# Altium PCB FPGA_A3P10002.PcbDoc (part 2 of 2)
Units mil, origin at the board's own origin, x right, y up, seen from the top; angles counter-clockwise.
Board outline 3712.6 x 3877.95 mil, 4 copper layers (Top Layer, GND_2, VCC_3, Bottom Layer), stack 23.756 mil thick; 104 components, 194 nets, 662 pads, 184 vias.
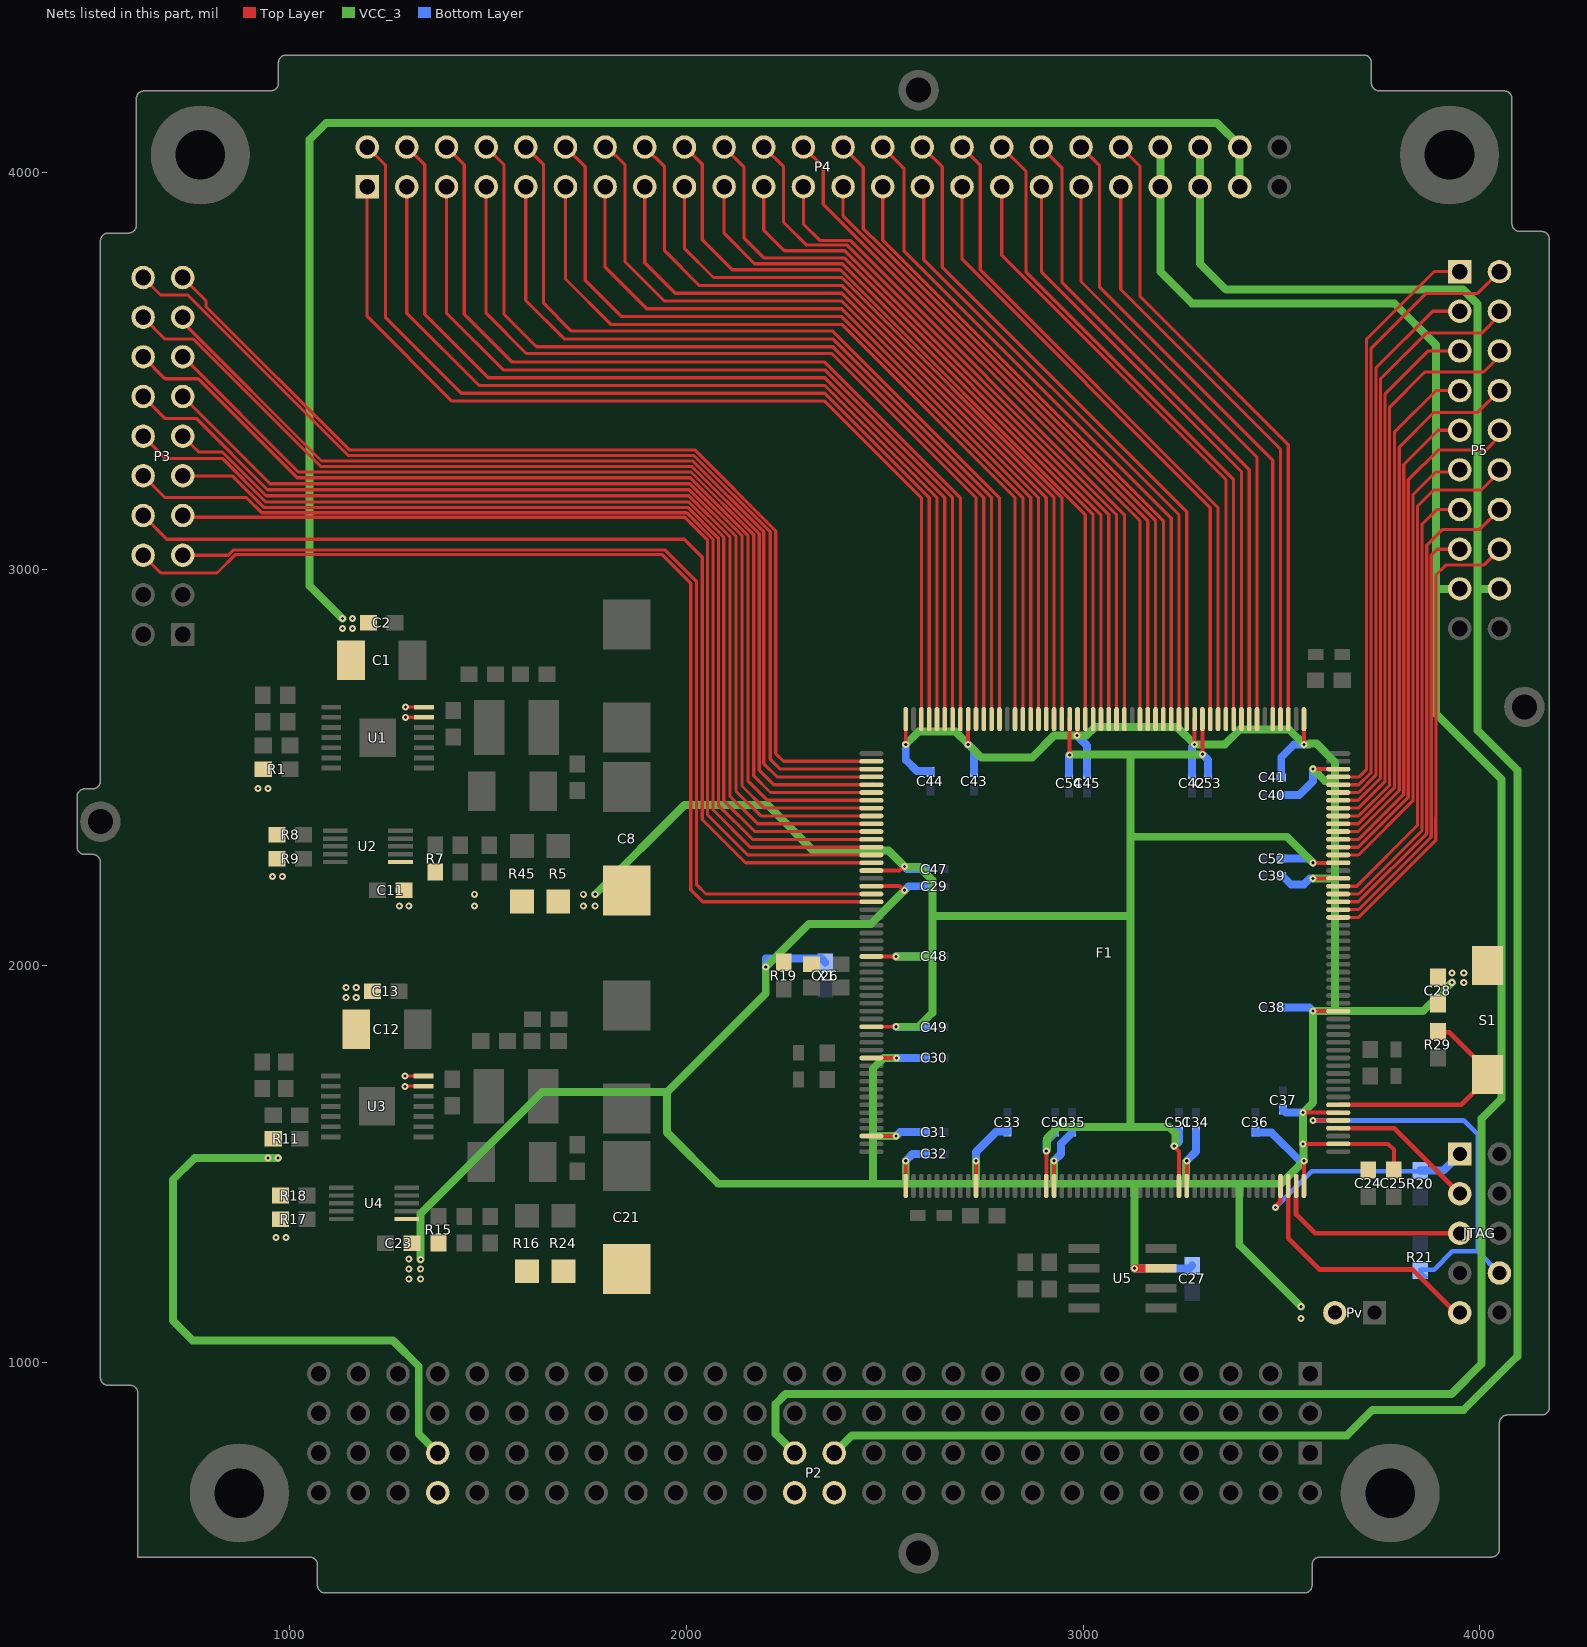
[diagram p4: the nets of this part, all layers, seen from the top]

## Via types
v1: diameter 17.72, hole 7.87, Top Layer to Bottom Layer, 184 vias

## Nets (pads, with @x,y where several pads share a name; then routed paths per layer and width w, separated by ;. In a path a pad name is that pad's centre, name@x,y a point inside that pad or via, vN(x,y) a via of type N, cw(c..) or ccw(c..) an arc to the next point about the centre after c; other vN are vias at no path point) (continued)
OUT_5: F1.20 P3.6 | length 2690
  Top Layer w8: P3.6@630,3035 675,2990 816.26,2990 863.18,3036.91 1938.08,3036.91 2011.08,2963.91 2011.08,2191.08 2041.21,2160.95 F1.20@2466.42,2160.95
OUT_6: F1.19 P3.5 | length 2549
  Top Layer w8: P3.5@730,3035 845,3035 858.41,3048.41 1945.67,3048.41 2025,2969.09 2025,2205 2049.36,2180.64 F1.19@2466.42,2180.64
OUT_7: F1.15 P3.8 | length 2586.6
  Top Layer w8: P3.8@630,3135 689.76,3075.24 1994.76,3075.24 2040,3030 2040,2368.46 2149.09,2259.38 F1.15@2466.42,2259.38
OUT_8: F1.14 P3.7 | length 2496.7
  Top Layer w8: P3.7@730,3135 734.5,3130.5 1995.61,3130.5 2053.5,3072.61 2053.5,2379.93 2154.37,2279.06 F1.14@2466.42,2279.06
OUT_9: F1.13 P3.10 | length 2623.9
  Top Layer w8: P3.10@630,3235 684.55,3180.45 890.45,3180.45 928.91,3142 2000.37,3142 2067,3075.37 2067,2393 2161.25,2298.75 F1.13@2466.42,2298.75
OUT_10: F1.12 P3.9 | length 2510.7
  Top Layer w8: P3.9@730,3235 855,3235 934.5,3155.5 2003.13,3155.5 2080.5,3078.13 2080.5,2404.5 2166.57,2318.43 F1.12@2466.42,2318.43
OUT_11: F1.11 P3.12 | length 2638.8
  Top Layer w8: P3.12@630,3335 686,3279 829.74,3279 939.74,3169 2005.9,3169 2094,3080.9 2094,2416 2171.88,2338.12 F1.11@2466.42,2338.12
OUT_12: F1.10 P3.11 | length 2524.2
  Top Layer w8: P3.11@730,3335 770,3295 830,3295 940,3185 2006.16,3185 2110,3081.16 2110,2427.29 2179.49,2357.8 F1.10@2466.42,2357.8
OUT_13: F1.9 P3.14 | length 2650.7
  Top Layer w8: P3.14@630,3435 685,3380 763.79,3380 943.79,3200 2007.42,3200 2125,3082.42 2125,2440.13 2187.64,2377.49 F1.9@2466.42,2377.49
OUT_14: F1.8 P3.13 | length 2535.8
  Top Layer w8: P3.13@730,3435 950,3215 2008.69,3215 2140,3083.69 2140,2452.97 2195.79,2397.17 F1.8@2466.42,2397.17
OUT_15: F1.7 P3.16 | length 2662.3
  Top Layer w8: P3.16@630,3535 685,3480 768.74,3480 1018.74,3230 2009.95,3230 2155,3084.95 2155,2465.81 2203.95,2416.86 F1.7@2466.42,2416.86
OUT_16: F1.6 P3.15 | length 2547.3
  Top Layer w8: P3.15@730,3535 731.26,3535 1021.6,3244.66 2011.55,3244.66 2169.66,3086.55 2169.66,2478.98 2212.1,2436.54 F1.6@2466.42,2436.54
OUT_17: F1.5 P3.18 | length 2675.2
  Top Layer w8: P3.18@630,3635 684.84,3580.16 756.08,3580.16 1077.66,3258.58 2013.9,3258.58 2183.58,3088.9 2183.58,2492.9 2220.25,2456.23 F1.5@2466.42,2456.23
  Top Layer w10: F1.5@2466.42,2456.23 F1.5@2467.83,2456.23
OUT_18: F1.4 P3.17 | length 2566.2
  Top Layer w8: P3.17@730,3635 730,3622.5 1080,3272.5 2016.24,3272.5 2195.08,3093.66 2195.08,2509.24 2228.41,2475.91 F1.4@2466.42,2475.91
OUT_19: F1.3 P3.20 | length 2682.9
  Top Layer w8: P3.20@630,3735 674.06,3690.94 742.97,3690.94 777.26,3656.65 1147.49,3286.42 2018.58,3286.42 2211.42,3093.58 2211.42,3072.42 ; 2211.42,3070 2211.42,2520.74 2236.56,2495.6 F1.3@2466.42,2495.6
OUT_20: F1.2 P3.19 | length 2579.1
  Top Layer w8: P3.19@730,3735 788.76,3676.24 788.76,3661.41 1149.83,3300.34 2020.93,3300.34 2225.34,3095.93 2225.34,2534.66 2244.72,2515.28 F1.2@2466.42,2515.28
OUT_21: F1.206 P4.1 | length 2472
  Top Layer w8: P4.1@1195,3964 1195,3637.16 1408.74,3423.43 2348.98,3423.43 2592.4,3180 F1.206@2592.4,2621.58
OUT_22: F1.205 P4.2 | length 2566.6
  Top Layer w8: P4.2@1195,4064 1241.54,4017.46 1241.54,3633.46 1431.89,3443.11 2348.98,3443.11 2612.09,3180 F1.205@2612.09,2621.58
OUT_23: F1.204 P4.3 | length 2406.8
  Top Layer w8: P4.3@1295,3964 1295,3645 1477.2,3462.8 2348.98,3462.8 2631.77,3180 F1.204@2631.77,2621.58
OUT_24: F1.203 P4.4 | length 2501.6
  Top Layer w8: P4.4@1295,4064 1340,4019 1340,3642.5 1500.02,3482.48 2348.98,3482.48 2651.46,3180 F1.203@2651.46,2621.58
OUT_25: F1.202 P4.5 | length 2346.2
  Top Layer w8: P4.5@1395,3964 1395,3645 1537.83,3502.17 2348.98,3502.17 2671.14,3180 F1.202@2671.14,2621.58
OUT_26: F1.201 P4.6 | length 2441
  Top Layer w8: P4.6@1395,4064 1440,4019 1440,3642.5 1560.65,3521.85 2348.98,3521.85 2690.83,3180 F1.201@2690.83,2621.58
OUT_27: F1.199 P4.7 | length 2305.2
  Top Layer w8: P4.7@1495,3964 1495,3645 1596.57,3543.43 2366.77,3543.43 2730.2,3180 F1.199@2730.2,2621.58
OUT_28: F1.198 P4.8 | length 2400
  Top Layer w8: P4.8@1495,4064 1540,4019 1540,3642.5 1621.87,3560.63 2369.25,3560.63 2749.88,3180 F1.198@2749.88,2621.58
OUT_29: F1.197 P4.9 | length 2225.8
  Top Layer w8: P4.9@1595,3964 1595,3677.16 1691.85,3580.32 2369.25,3580.32 2769.57,3180 F1.197@2769.57,2621.58
OUT_30: F1.196 P4.10 | length 2323.3
  Top Layer w8: P4.10@1595,4064 1640,4019 1640,3670 1710,3600 2369.25,3600 2789.25,3180 F1.196@2789.25,2621.58
OUT_31: F1.194 P4.11 | length 2153.1
  Top Layer w8: P4.11@1695,3964 1695,3731.24 1809.35,3616.89 2391.73,3616.89 2828.62,3180 F1.194@2828.62,2621.58
OUT_32: F1.193 P4.12 | length 2245.2
  Top Layer w8: P4.12@1695,4064 1745,4014 1745,3728.43 1836.85,3636.57 2391.73,3636.57 2848.31,3180 F1.193@2848.31,2621.58
OUT_33: F1.192 P4.13 | length 2075.1
  Top Layer w8: P4.13@1795,3964 1795,3760.91 1899.65,3656.26 2391.73,3656.26 2867.99,3180 F1.192@2867.99,2621.58
OUT_34: F1.191 P4.14 | length 2160.2
  Top Layer w8: P4.14@1795,4064 1800,4064 1845,4019 1845,3775 1944.06,3675.94 2391.73,3675.94 2887.68,3180 F1.191@2887.68,2621.58
OUT_35: F1.190 P4.15 | length 2007.7
  Top Layer w8: P4.15@1895,3964 1895,3772.48 1971.85,3695.63 2391.73,3695.63 2907.36,3180 F1.190@2907.36,2621.58
OUT_36: F1.189 P4.16 | length 2080.7
  Top Layer w8: P4.16@1895,4064 1945,4014 1945,3802.17 2031.85,3715.32 2391.73,3715.32 2927.05,3180 F1.189@2927.05,2621.58
OUT_37: F1.188 P4.17 | length 1926
  Top Layer w8: P4.17@1995,3964 1995,3808.4 2068.4,3735 2391.73,3735 2946.73,3180 F1.188@2946.73,2621.58
OUT_38: F1.185 P4.18 | length 2022
  Top Layer w8: P4.18@1995,4064 1996.61,4064 2040,4020.61 2040,3830 2115.32,3754.68 2388.39,3754.68 3005.79,3137.28 F1.185@3005.79,2621.58
OUT_39: F1.184 P4.19 | length 1857.5
  Top Layer w8: P4.19@2095,3964 2095,3846.35 2171.67,3769.68 2393.07,3769.68 3025.47,3137.28 F1.184@3025.47,2621.58
OUT_40: F1.183 P4.20 | length 1954.6
  Top Layer w8: P4.20@2095,4064 2145,4014 2145,3835 2195.32,3784.68 2397.76,3784.68 3045.16,3137.28 F1.183@3045.16,2621.58
OUT_41: F1.182 P4.21 | length 1792.1
  Top Layer w8: P4.21@2195,3964 2195,3854.5 2246.82,3802.68 2399.44,3802.68 3064.84,3137.28 F1.182@3064.84,2621.58
OUT_42: F1.181 P4.22 | length 1871.2
  Top Layer w8: P4.22@2195,4064 2245,4014 2245,3873.89 2301.65,3817.24 2404.57,3817.24 3084.53,3137.28 F1.181@3084.53,2621.58
OUT_43: F1.180 P4.23 | length 1722.4
  Top Layer w8: P4.23@2295,3964 2295,3870 2336.26,3828.74 2412.75,3828.74 3104.21,3137.28 F1.180@3104.21,2621.58
OUT_44: F1.178 P4.24 | length 1793.9
  Top Layer w8: P4.24@2295,4064 2345,4014 2345,3920 3143.58,3121.42 F1.178@3143.58,2621.58
OUT_45: F1.177 P4.25 | length 1660.6
  Top Layer w8: P4.25@2395,3964 2395,3890 2445.95,3839.05 2445.95,3838.74 2487.13,3797.56 3163.27,3121.42 F1.177@3163.27,2621.58
OUT_46: F1.176 P4.26 | length 1768.8
  Top Layer w8: P4.26@2395,4064 2445.95,4013.05 2445.95,3858.42 2487.13,3817.24 3182.95,3121.42 F1.176@3182.95,2621.58
OUT_47: F1.175 P4.27 | length 1635.5
  Top Layer w8: P4.27@2495,3964 2495,3829.06 2510,3814.06 3202.64,3121.42 F1.175@3202.64,2621.58
OUT_48: F1.174 P4.28 | length 1743.7
  Top Layer w8: P4.28@2495,4064 2548.44,4010.56 2548.44,3802.17 3222.32,3128.28 F1.174@3222.32,2621.58
OUT_49: F1.173 P4.29 | length 1610.4
  Top Layer w8: P4.29@2595,3964 2598.45,3960.55 2598.45,3780 3242.01,3136.44 F1.173@3242.01,2621.58
OUT_50: F1.172 P4.30 | length 1718.6
  Top Layer w8: P4.30@2595,4064 2645,4014 2645,3761.28 3261.69,3144.59 F1.172@3261.69,2621.58
OUT_51: F1.169 P4.31 | length 1601.6
  Top Layer w8: P4.31@2695,3964 2695,3780.75 3320.75,3155 F1.169@3320.75,2621.58
OUT_52: F1.168 P4.32 | length 1709.8
  Top Layer w8: P4.32@2695,4064 2740.75,4018.25 2740.75,3754.68 3340.43,3155 F1.168@3340.43,2621.58
OUT_53: F1.167 P4.33 | length 1576.3
  Top Layer w8: P4.33@2795,3964 2795,3790.99 3360.12,3225.87 F1.167@3360.12,2621.82
OUT_54: F1.166 P4.34 | length 1684.7
  Top Layer w8: P4.34@2795,4064 2856.47,4002.53 2856.47,3748.53 3379.8,3225.2 F1.166@3379.8,2621.58
OUT_55: F1.165 P4.35 | length 1551.4
  Top Layer w8: P4.35@2895,3964 2895,3750 3399.49,3245.51 F1.165@3399.49,2621.58
OUT_56: F1.164 P4.36 | length 1659.5
  Top Layer w8: P4.36@2895,4064 2946.73,4012.27 2946.73,3723.27 3419.17,3250.83 F1.164@3419.17,2621.58
OUT_57: F1.163 P4.37 | length 1526.3
  Top Layer w8: P4.37@2995,3964 2995,3725 3438.86,3281.14 F1.163@3438.86,2621.58
OUT_58: F1.161 P4.38 | length 1642.6
  Top Layer w8: P4.38@2995,4064 3041.91,4017.09 3041.91,3710.44 3478.23,3274.11 F1.161@3478.23,2621.58
OUT_59: F1.160 P4.39 | length 1509.3
  Top Layer w8: P4.39@3095,3964 3095,3705 3497.91,3302.09 F1.160@3497.91,2621.58
OUT_60: F1.159 P4.40 | length 1617.5
  Top Layer w8: P4.40@3095,4064 3143.58,4015.42 3143.58,3687.68 3517.6,3313.66 F1.159@3517.6,2621.58
OUT_61: F1.153 P5.1 | length 1469.9
  Top Layer w8: F1.153@3643.58,2475.91 3696.19,2475.91 3715,2494.73 3715,3580 3885,3750 P5.1@3950,3750
OUT_62: F1.152 P5.2 | length 1568.7
  Top Layer w8: F1.152@3643.58,2456.23 3695.59,2456.23 3726.5,2487.14 3726.5,3556.5 3865,3695 3995,3695 P5.2@4050,3750
OUT_63: F1.151 P5.3 | length 1410.5
  Top Layer w8: F1.151@3643.58,2436.54 3695,2436.54 3738.46,2480 3738.46,3506.82 3881.64,3650 P5.3@3950,3650
OUT_64: F1.150 P5.4 | length 1513.3
  Top Layer w8: F1.150@3643.58,2416.86 3694.41,2416.86 3750,2472.45 3750,3480 3865,3595 4005,3595 4050,3640 P5.4@4050,3650
OUT_65: F1.149 P5.5 | length 1356
  Top Layer w8: F1.149@3643.58,2397.17 3693.81,2397.17 3761.64,2465 3761.64,3441.64 3870,3550 P5.5@3950,3550
OUT_66: F1.148 P5.6 | length 1457.8
  Top Layer w8: F1.148@3643.58,2377.49 3695,2377.49 3773.14,2455.63 3773.14,3408.14 3861.73,3496.73 4010,3496.73 4050,3536.73 P5.6@4050,3550
OUT_67: F1.147 P5.7 | length 1284
  Top Layer w8: F1.147@3643.58,2357.8 3694.41,2357.8 3785,2448.4 3785,3345 3890,3450 P5.7@3950,3450
OUT_68: F1.146 P5.8 | length 1374.1
  Top Layer w8: F1.146@3643.58,2338.12 3693.81,2338.12 3797.23,2441.54 3797.23,3307.23 3885,3395 3995,3395 P5.8@4050,3450
OUT_69: F1.145 P5.9 | length 1220.8
  Top Layer w8: F1.145@3643.58,2318.43 3695,2318.43 3808.73,2432.16 3808.73,3263.73 3895,3350 P5.9@3950,3350
OUT_70: F1.144 P5.10 | length 1319.5
  Top Layer w8: F1.144@3643.58,2298.75 3694.41,2298.75 3820.23,2424.57 3820.23,3225 3895.23,3300 4015,3300 4050,3335 P5.10@4050,3350
OUT_71: F1.143 P5.11 | length 1160.2
  Top Layer w8: F1.143@3643.58,2279.06 3695,2279.06 3831.73,2415.79 3831.73,3186.73 3890,3245 3945,3245 P5.11@3950,3250
OUT_72: F1.139 P5.12 | length 1315.5
  Top Layer w8: F1.139@3643.58,2200.32 3690,2200.32 3843.23,2353.55 3843.23,3158.23 3884.23,3199.23 4004.23,3199.23 4050,3245 P5.12@4050,3250
OUT_73: F1.138 P5.13 | length 1160.7
  Top Layer w8: F1.138@3643.58,2180.64 3695,2180.64 3855,2340.64 3855,3113.5 3891.5,3150 P5.13@3950,3150
OUT_74: F1.137 P5.14 | length 1241.9
  Top Layer w8: F1.137@3643.58,2160.95 3694.41,2160.95 3866.5,2333.05 3866.5,3060 3906.62,3100.12 4000.12,3100.12 P5.14@4050,3150
OUT_75: F1.136 P5.15 | length 1099
  Top Layer w8: F1.136@3643.58,2141.27 3643.81,2141.5 3695,2141.5 3878,2324.5 3878,3035 3893,3050 P5.15@3950,3050
OUT_76: F1.135 P5.16 | length 1182.5
  Top Layer w8: F1.135@3643.58,2121.58 3695,2121.58 3889.5,2316.08 3889.5,2374.5 3890,2375 3890,2985 3915,3010 4010,3010 P5.16@4050,3050
RST: C28.1 F1.111 R29.2 S1.1 | length 590.6
  Top Layer w8: R29.2@3895,1831.97 R29.2@3895,1833.94 ; S1.1@4020,1715.16 S1.1@4020,1725 S1.1@4020,1734.84
  Top Layer w12: F1.111@3643.58,1649.14 3953.98,1649.14 S1.1@4020,1715.16 ; R29.2@3895,1831.97 3922.87,1831.97 S1.1@4020,1734.84
TCK: F1.101 JTAG.1 R20.1 | length 582
  Top Layer w8: v1(3485,1390) v1@3485,1392.63 ; F1.101@3497.18,1443.69 F1.101@3497.91,1444.42
  Top Layer w12: v1@3485,1392.63 3497.18,1404.81 F1.101@3497.18,1443.69
  Bottom Layer w8: R20.1@3850,1481.5 R20.1@3850,1483.46 R20.1@3850,1483.79
  Bottom Layer w12: v1(3485,1390) 3576.5,1481.5 R20.1@3850,1481.5
  Bottom Layer w20: R20.1@3850,1483.79 3908.79,1483.79 JTAG.1@3950,1525
TDI: F1.102 JTAG.9 | length 642
  Top Layer w8: JTAG.9@3933.47,1131.53 3943.47,1131.53 JTAG.9@3950,1125
  Top Layer w12: F1.102@3517.6,1444.42 3517.6,1312.4 3596.3,1233.7 3831.3,1233.7 JTAG.9@3933.47,1131.53
TDO: F1.108 JTAG.3 | length 374.8
  Top Layer w12: F1.108@3643.58,1590.09 3784.91,1590.09 JTAG.3@3950,1425
TMS: F1.103 JTAG.5 | length 504.2
  Top Layer w12: F1.103@3537.28,1444.42 3537.28,1372.72 3585,1325 JTAG.5@3950,1325
TRST: F1.109 JTAG.8 R21.2 | length 1056.1
  Top Layer w10: v1(3580,1609.77) F1.109@3643.58,1609.77
  Bottom Layer w8: R21.2@3850,1233.5 R21.2@3850,1231.54 3850,1229.57 R21.2@3865.68,1213.88
  Bottom Layer w12: v1(3580,1609.77) 3960.23,1609.77 3995,1575 3995,1280 ; R21.2@3850,1233.5 3885.04,1233.5 3931.54,1280 3995,1280 ; JTAG.8@4050,1225 3995,1280
VCC_1V5: C8.1 C47.2 C48.2 C49.2 C50.2 C51.2 C52.2 C53.2 C54.2 F1.16 F1.27 F1.36 F1.71 F1.88 F1.142 F1.170 F1.187 R5.2 R7.1 R45.2 | length 5380.5
  Top Layer w10: F1.36@2465,1845.98 v1(2528.58,1845.98) ; F1.27@2465,2023.15 v1(2528.58,2023.15) ; F1.16@2465.01,2239.69 F1.16@2466.42,2239.69 2537.6,2239.69 2547.91,2250 v1(2550,2250) ; F1.71@2907.35,1443.02 v1(2907.35,1533) ; v1(2966.42,2531.6) 2966.14,2531.87 2966.14,2621.31 F1.187@2966.42,2621.58 ; v1(3230,1545) 3230,1542.91 3242.01,1530.9 F1.88@3242.01,1444.42 F1.88@3242.01,1443.02 ; v1(3301.07,2533) F1.170@3301.07,2622.98 ; v1(3580,2259.38) F1.142@3643.58,2259.38
  VCC_3 w8: v1(2907.35,1533) v1@2908.86,1534.5 ; v1(2966.42,2531.6) v1@2967.12,2532.3 ; 3120,2329.69 3124.69,2325 ; 3120,2528.4 3123.9,2532.3 ; v1@3300.37,2532.3 v1(3301.07,2533)
  VCC_3 w20: v1(1770,2180) 1995,2405 2205,2405 2319.47,2290.53 2509.47,2290.53 v1(2550,2250) 2551.5,2248.5 2587.43,2248.5 2620,2215.93 2620,2125 ; v1(2528.58,1845.98) 2584.98,1845.98 2620,1881 2620,2020 ; v1(2528.58,2023.15) 2616.85,2023.15 2620,2020 ; v1@2908.86,1534.5 2908.86,1563.86 2937.64,1592.64 3127.36,1592.64 ; v1@2967.12,2532.3 3123.9,2532.3 v1@3300.37,2532.3 ; 3120,2528.4 3120,2329.69 3120,2125 ; 3124.69,2325 3514.38,2325 v1(3580,2259.38) ; v1(3230,1545) 3233.72,1548.72 3233.72,1576.28 3217.36,1592.64 3127.36,1592.64 ; 2620,2020 2620,2125 ; 2620,2125 3120,2125 ; 3120,2125 3120,1600 3127.36,1592.64
  Bottom Layer w20: v1(2528.58,1845.98) 2529.41,1845.16 C49.2@2602,1845.16 ; v1(2528.58,2023.15) 2528.74,2023.31 C48.2@2602,2023.31 ; v1(2550,2250) 2556.34,2243.66 C47.2@2602,2243.66 ; v1(2907.35,1533) 2907.35,1556.82 2930.03,1579.5 C50.2@2930.03,1582 ; C54.2@2965.16,2483 2965.16,2530.34 v1(2966.42,2531.6) ; v1(3230,1545) 3241.84,1556.84 C51.2@3241.84,1582 ; v1(3301.07,2533) 3315.16,2518.91 C53.2@3315.16,2483 ; C52.2@3499.77,2269.84 3569.53,2269.84 v1(3580,2259.38)
  other v1: 1465.54,2150 1740,2150 1770,2150 1465.54,2180 1740,2180
VCC_3V3: C11.2 C21.1 C23.2 C24.2 C25.2 C26.2 C27.1 C28.2 C29.2 C30.2 C31.2 C32.2 C33.2 C34.2 C35.2 C36.2 C37.2 C38.2 C39.2 C40.2 C41.2 C42.2 C43.2 C44.2 C45.2 F1.18 F1.40 F1.50 F1.53 F1.62 F1.72 F1.89 F1.104 F1.106 F1.110 F1.123 F1.140 F1.154 F1.157 F1.171 F1.186 F1.200 F1.208 Pv.2 R8.1 R9.1 R15.1 R16.2 R17.1 R18.1 R19.2 R24.2 S1.2 U2.6 U4.6 U5.3 X1.4 | length 10845.4
  Top Layer w10: F1.50@2465,1570.39 v1(2528.58,1570.39) ; F1.18@2465.01,2200.32 F1.18@2466.42,2200.32 2537.59,2200.32 2547.91,2190 v1(2550,2190) ; F1.40@2466.42,1767.25 v1(2530,1767.25) ; F1.53@2553.03,1444.42 v1(2553.03,1508) ; v1(2553.03,2558) F1.208@2553.03,2621.58 ; v1(2710.51,2558) F1.200@2710.51,2621.58 ; F1.62@2730.2,1444.42 v1(2730.2,1508) ; F1.72@2927.05,1444.42 v1(2927.05,1508) ; v1(2985,2580) 2985.76,2580.76 2985.76,2621.24 F1.186@2986.1,2621.58 ; F1.89@3261.69,1444.42 v1(3261.69,1508) ; v1(3281.38,2558) F1.171@3281.38,2621.58 ; v1(3555,1550.71) F1.106@3643.58,1550.72 3769.28,1550.72 3783.72,1536.28 C25.2@3783.72,1485 ; v1(3555,1629.45) F1.110@3644.98,1629.45 ; F1.104@3556.97,1444.42 v1(3556.97,1508) ; v1(3556.97,2558) F1.157@3556.97,2621.58 ; v1(3580,1885.36) F1.123@3643.58,1885.36 ; v1(3580,2220.01) F1.140@3643.58,2220.01 ; v1(3580,2495.6) F1.154@3643.58,2495.6
  Top Layer w20: v1(3130,1236.93) U5.3@3197,1236.93 ; Pv.2@3630,1125 Pv.2@3635,1125
  VCC_3 w8: 2553.03,1451.97 2555,1450 ; v1@2730,1507.8 v1(2730.2,1508) ; 2927.05,1452.95 2930,1450 ; v1@3260,1506.31 v1(3261.69,1508) ; v1@3280.8,2558 v1(3281.38,2558) ; v1(3555,1550.71) v1@3555.98,1549.72 ; v1@3555.98,1508.98 v1(3556.97,1508)
  VCC_3 w20: v1(1330,1259.45) 1330,1375 1635.96,1680.96 1950.96,1680.96 ; v1(2528.58,1570.39) 2470,1570.39 ; v1(2530,1767.25) 2497.25,1767.25 2470,1740 2470,1570.39 ; v1(2550,2190) 2465,2105 2308.58,2105 v1(2200,1996.42) 2200,1930 1950.96,1680.96 ; 2553.03,1451.97 v1(2553.03,1508) ; v1(2553.03,2558) 2585.03,2590 2678.51,2590 v1(2710.51,2558) 2743.51,2525 2872,2525 2927,2580 v1(2985,2580) 3008.1,2580 3030,2601.9 3236.9,2601.9 v1@3280.8,2558 ; v1@2730,1507.8 2730,1450 ; 2927.05,1452.95 v1(2927.05,1508) ; v1(3130,1236.93) 3130,1445 3135,1450 ; v1@3260,1506.31 3260,1450 ; v1(3281.38,2558) 3358,2558 3395,2595 3456.72,2595 3519.97,2595 v1(3556.97,2558) 3569.29,2558 3571.29,2560 3588.71,2560 3635,2513.71 3635,2220 ; v1(3550,1140) 3394,1296 3394,1450 ; v1(3555,1550.71) v1(3555,1629.45) 3580,1654.45 v1(3580,1885.36) 3635,1885.36 ; v1@3555.98,1508.98 v1@3555.98,1549.72 ; v1(3556.97,1508) 3498.97,1450 3394,1450 ; v1(3580,2220.01) 3635,2220 ; v1(3580,2495.6) 3610.6,2465 3630,2465 ; v1(3930,1957.57) 3857.8,1885.36 3635,1885.36 ; 1950.96,1680.96 1950.96,1579.04 2080,1450 2470,1450 ; 2470,1450 2470,1570.39 ; 2470,1450 2555,1450 2730,1450 ; 2730,1450 2930,1450 3135,1450 ; 3135,1450 3260,1450 ; 3260,1450 3394,1450 ; 3635,1885.36 3635,2220
  Bottom Layer w20: v1(2200,1996.42) 2200,2018.07 2340.39,2018.07 C26.2@2350,2008.46 ; v1(2528.58,1570.39) 2538.35,1580.16 C31.2@2602,1580.16 ; v1(2530,1767.25) 2530.16,1767.41 C30.2@2602,1767.41 ; v1(2550,2190) 2560.16,2200.16 C29.2@2602,2200.16 ; v1(2553.03,1508) 2570.19,1525.16 C32.2@2602,1525.16 ; v1(2553.03,2558) 2553.03,2518.95 2581.48,2490.5 2615,2490.5 C44.2@2615,2488 ; v1(2710.51,2558) 2725.16,2543.36 C43.2@2725.16,2488 ; v1(2730.2,1508) 2730.2,1530.2 2782,1582 C33.2@2809.84,1582 ; v1(2927.05,1508) 2944.39,1525.35 2944.39,1551.22 2972.68,1579.5 C35.2@2972.68,1582 ; v1(2985,2580) 3010.16,2554.84 C45.2@3010.16,2483 ; v1(3130,1236.93) 3268.46,1236.93 C27.1@3275,1243.46 ; v1(3261.69,1508) 3284.84,1531.15 C34.2@3284.84,1582 ; C42.2@3275.16,2483 3275.16,2551.78 v1(3281.38,2558) ; C36.2@3434.84,1582 3434.84,1579.5 3474.84,1579.5 3546.34,1508 v1(3556.97,1508) ; C38.2@3499.77,1894.84 3570.52,1894.84 v1(3580,1885.36) ; C39.2@3499.77,2226.62 3502.27,2226.62 3523.89,2205 3556.97,2205 3571.98,2220.01 v1(3580,2220.01) ; C40.2@3499.77,2429.84 3544.84,2429.84 3580,2465 v1(3580,2495.6) ; C41.2@3499.77,2474.84 3499.77,2525.4 3532.37,2558 v1(3556.97,2558) ; C37.2@3504.53,1637 3504.53,1634.5 3507.03,1634.5 3512.08,1629.45 v1(3555,1629.45)
  other v1: 3550,1110 1300,1210 1330,1210 1300,1235 1330,1235 1300,1259.88 965,1315 990,1315 3960,1957.57 3930,1981.54 3960,1981.54 1276,2150 1300,2150 955.94,2224.69 980.94,2224.69
VOUT_3V3: P2.27 P2.28 P4.41 P4.42 P5.17 | length 5769.2
  VCC_3 w20: P2.27@2272.83,771.14 2225,818.98 2225,895 2250,920 3929.08,920 4005,995.92 4005,1614.13 4055,1664.13 4055,2470 3890,2635 3890,2950 ; P4.42@3195,4064 P4.41@3195,3964 3195,3750 3275,3670 3785,3670 3890,3565 3890,2950 ; P5.17@3950,2950 3890,2950
VOUT_5V: P2.25 P2.26 P4.43 P4.44 P5.18 | length 5609.3
  VCC_3 w20: P2.25@2372.83,771.14 2417.36,815.67 3665.67,815.67 3730,880 3960,880 4095,1015 4095,2493.23 3995,2593.23 3995,2758.77 3994.53,2759.24 3994.53,2950 ; P4.44@3295,4064 P4.43@3295,3964 3295,3770 3360,3705 3957.97,3705 3994.53,3668.44 3994.53,2950 ; P5.18@4050,2950 3994.53,2950
VOUT_BATT: C1.2 C2.2 C12.2 C13.2 P2.45 P2.46 P4.45 P4.46 R1.1 R11.1 U1.13 U1.14 U3.13 U3.14 | length 5469.3
  Top Layer w8: v1@1290,1696.18 U3.13@1337,1696.18 ; v1(1290,1721.77) U3.14@1337,1721.77 ; v1(1291.67,2626.18) U1.13@1338.67,2626.18 ; v1(1291.67,2651.77) U1.14@1338.67,2651.77
  VCC_3 w20: v1(970,1515) v1(945,1515) 760,1515 705,1460 705,1105 755,1055 1260,1055 1325,990 1325,818.98 P2.45@1372.83,771.14 ; v1(1132.37,2875) 1050,2957.37 1050,4083.28 1091.72,4125 3337.83,4125 3395,4067.83 P4.46@3395,4064 P4.45@3395,3964
  other v1: 1290,1695.39 1142.24,1920 1167.5,1920 1142.24,1945 1167.5,1945 920.13,2446.77 945.13,2446.77 1132.37,2850 1157.63,2850 1157.63,2875
pads on no net: F1.126 JTAG.4 P1.2 P1.4 P1.5 P1.6 P1.7 P1.8 P1.9 P1.10 P1.11 P1.12 P1.13 P1.14 P1.15 P1.16 P1.17 P1.18 P1.19 P1.20 P1.21 P1.22 P1.23 P1.24 P1.25 P1.26 P1.27 P1.28 P1.29 P1.30 P1.31 P1.32 P1.33 P1.34 P1.35 P1.36 P1.37 P1.38 P1.39 P1.40 P1.41 P1.42 P1.43 P1.44 P1.45 P1.46 P1.47 P1.48 P1.49 P1.50 P1.51 P1.52 P2.1 P2.2 P2.3 P2.4 P2.5 P2.6 P2.7 P2.8 P2.9 P2.10 P2.11 P2.12 P2.13 P2.14 P2.15 P2.16 P2.17 P2.18 P2.19 P2.20 P2.21 P2.22 P2.23 P2.24 P2.33 P2.34 P2.35 P2.36 P2.37 P2.38 P2.39 P2.40 P2.41 P2.42 P2.43 P2.44 P2.47 P2.48 P2.49 P2.50 P2.51 P2.52 U1.5 U2.3 U3.5 U4.3

## Polygon pours and split planes (outlines as drawn)
no net on Top Layer "Top Layer-No Net 3" (solid, pour order 38): 1200,2210
no net on Top Layer "Top Layer-No Net 2" (solid, pour order 36): 3225,3590
no net on Top Layer "Top Layer-No Net 1" (solid, pour order 34): 1385,1430
no net on Top Layer "Top Layer-No Net 4" (solid, pour order 28): 1405,1625
no net on Top Layer "Top Layer-No Net 6" (solid, pour order 16): 1445,1693.43
no net on Top Layer "Top Layer-No Net 7" (solid, pour order 14): 1445,1693.43
no net on Top Layer "Top Layer-No Net 8" (solid, pour order 12): 1430,1692.95
no net on Top Layer "Top Layer-No Net 9" (solid, pour order 6): 1425,1670
no net on Top Layer "Top Layer-No Net" (solid, pour order 2): 3785,1430
GND on GND_2 "GND_2-GND" (solid, pour order 52): 1120,620 3525,620 3525,820 3620,820 3620,1020 4100,1020 4100,2530 4030,2600 4030,2705 4100,2775 4100,3800 4025,3800 4025,3870 3805,3870 3745,3930 3745,4155 3675,4155 3675,4245 2705,4245 2705,4160 2650,4105 2520,4105 2470,4155 2470,4250 1025,4250 1025,4150 950,4150 950,3949 949,3949 850,3850 675,3850 675,3800 580,3800 580,2450 625,2405 625,2320 575,2270 575,1025 1025,1025 1025,820 1120,820
no net on GND_2 "GND_2-No Net" (solid, pour order 48): 1025,820
no net on GND_2 "GND_2-No Net 1" (solid, pour order 40): 3730,4100
VCC_3V3 on VCC_3 "VCC_3-VCC_3V3 1" (solid, pour order 152): 2630.17,1606.11 2766.28,1470 2595,1470
VCC_3V3 on VCC_3 "VCC_3-VCC_3V3 6" (solid, pour order 144): 2291.66,2131.66 2010,1850 2010,1756.57 2076.57,1756.57 2095,1775 2147.15,1775 2558.03,2185.88 2545,2198.91 2545,2200.32 2528.29,2200.31 2459.63,2131.66
VCC_3V3 on VCC_3 "VCC_3-VCC_3V3 9" (solid, pour order 140): 3130,3740 3255,3615 3130,3615
VCC_3V3 on VCC_3 "VCC_3-VCC_3V3 10" (solid, pour order 136): 3834.95,2608.28 4000,2443.23 4000,1714.13 3840.56,1554.69
VCC_3V3 on VCC_3 "VCC_3-VCC_3V3 11" (solid, pour order 134): 3770,3625 3770,3620 3840,3550 3840,2212.02 3610,2212.02 3610,2430 3485,2555 2525,2555 2525,3620
VCC_3V3 on VCC_3 "VCC_3-VCC_3V3 12" (solid, pour order 132): 3520,2229.23 3520,1470 3925,1470 3925,2226.46
VCC_1V5 on VCC_3 "VCC_3-VCC_1V5 1" (solid, pour order 128): 2007.57,1910 1955,1962.57 2230,2237.57 2230,2240 2527.98,2240 2457.98,2170 2281.53,2170
VOUT_BATT on VCC_3 "VCC_3-VOUT_BATT 3" (solid, pour order 126): 670,3855 850,3855 945,3950 945.13,4155 1025,4155 1025,4255 2480,4255 2480,4150 2515,4115 2655,4115 2700,4160 2700,4255 3140,4255 3140,3890 1356.94,3890 1356.94,3790 670,3790
VCC_3V3 on VCC_3 "VCC_3-VCC_3V3 13" (solid, pour order 122): 2532.04,1508.58 2532.45,1508.98 3925,1508.98 3925,1015 2533.58,1015
VCC_1V5 on VCC_3 "VCC_3-VCC_1V5 2" (solid, pour order 78): 1954.18,1943.93 2475.25,2465 2475.25,3827.64 1955.06,3827.64
VCC_1V5 on VCC_3 "VCC_3-VCC_1V5" (solid, pour order 54): 1420,2050 1560,1910 2007.57,1910 1955,1962.57 1955,3827.64 1420,3827.64
VCC_1V5 on VCC_3 "VCC_3-VCC_1V5 4" (solid, pour order 106): 3485,1820 3485,1540 2768.36,1540 2685,1623.36 2685,1805 2670,1820
VCC_1V5 on VCC_3 "VCC_3-VCC_1V5 6" (solid, pour order 94): 2281.41,1861.41 2289,1843.6 2298.78,1820 3485,1820 3485,2480 2580,2480 2580,2160
VOUT_BATT on VCC_3 "VCC_3-VOUT_BATT" (solid, pour order 72): 715,2425 1351.62,2425 1356.94,2430.32 1356.94,3805 580,3805 580,2425.32 615,2390.32 615,2310.32 565,2260.32 565,1020.32 1305,1020.32 1305,1120 895,1120 865,1150 865,1390 895,1420 1099.68,1420 1305,1625.32 1305,1887.82 1196.4,1996.42 858.58,1996.42 815,2040 815,2425.57
VOUT_BATT on VCC_3 "VCC_3-VOUT_BATT 2" (solid, pour order 90): 1120,620 1125,615 1415,615 1415,1120.15 1015,1119.83 1015,823.98 1020,818.98 1120,818.98
no net on VCC_3 "VCC_3-No Net" (solid, pour order 114): 1048.84,2785
VCC_1V5 on VCC_3 "VCC_3-VCC_1V5 3" (solid, pour order 110): 2525,2481.06 2583.62,2481.06 2590,2474.68 2590,2425 2529.4,2425 2528.33,2426.06
VCC_1V5 on VCC_3 "VCC_3-VCC_1V5 5" (solid, pour order 102): 2475,2481.06 2525,2481.06 2580,2426.06 2580,2240 2230,2240 2210,2260
no net on VCC_3 "VCC_3-No Net 1" (solid, pour order 104): 2535,2390 2500,2355 2500,2345
VCC_3V3 on VCC_3 "VCC_3-VCC_3V3 7" (solid, pour order 100): 1496.22,1013.93 2640,1013.93 2640,1775 1504.65,1775
VCC_3V3 on VCC_3 "VCC_3-VCC_3V3 8" (solid, pour order 98): 1400,1160 2095,1160 2095,1860 1400,1860
no net on VCC_3 "VCC_3-No Net 2" (solid, pour order 92): 1214.43,810
no net on VCC_3 "VCC_3-No Net 3" (solid, pour order 76): 1955,4245
VOUT_BATT on VCC_3 "VCC_3-VOUT_BATT 1" (solid, pour order 74): 877.7,2442.7 742.5,2307.5 742.5,2437.5 735,2445
VCC_3V3 on VCC_3 "VCC_3-VCC_3V3" (solid, pour order 70): 1356.12,1608.12 1108,1360 1400,1360 1415,1345 1415,1485
VCC_3V3 on VCC_3 "VCC_3-VCC_3V3 2" (solid, pour order 66): 1180,2110 1285,2110 1455,1940 1455,1892.5 1376.93,1892.5 1180,2089.43
VCC_3V3 on VCC_3 "VCC_3-VCC_3V3 3" (solid, pour order 64): 1355,1935.82 1355,1285 1694,1285 1694,1386 1694,1747.5 1647.5,1747.5 1448.44,1946.56 1437.71,1935.82
VCC_3V3 on VCC_3 "VCC_3-VCC_3V3 4" (solid, pour order 56): 870,2365 870,2040 1355.57,2040 1355.57,2365
VCC_3V3 on VCC_3 "VCC_3-VCC_3V3 5" (solid, pour order 58): 910,1375 910,1160 1405,1160 1405,1375
no net on Bottom Layer "Bottom Layer-No Net" (solid, pour order 120): 3815,1320
GND on Bottom Layer "Bottom Layer-GND" (solid, pour order 118): 3870,1440 3685,1440 3685,1275 3870,1275

## Other copper
Top Layer:
  rectangle net NetLD3_1: 3703.81,1767.01 3805,1810
  rectangle net NetLD4_1: 3630,2700.59 3675,2800
  rectangle net NetLD2_1: 2630,1355 2740,1385
  rectangle net NetLD1_1: 2265,1690 2375,1735
  rectangle net GND: 2365,1891.75 2412.83,1965
  rectangle net NetR19_1: 2225,1925 2340,1965
  rectangle net VCC_3V3: 2185,1985 2340,2030
  rectangle net VOUT_BATT: 910.13,2431.77 955.13,2516.77
  rectangle net GND: 1175.94,2390 1518.6,2455
  rectangle net GND: 875,2660 1015,2705
  rectangle net NetC3_2: 910,2535 955,2636.3
  rectangle net GND: 1789.5,2823.07 1909.5,2967.91
  rectangle net VOUT_BATT: 1120.13,2720 1220.13,2885
  rectangle net GND: 1272.83,2715 1472.83,2755
  rectangle net VCC_1V5: 1355,2130 1905,2195
  rectangle net GND: 1705,2485 1775,2530
  rectangle net NetC6_1: 1555,2270 1709.25,2335
  rectangle net NetC10_1: 1410,2215 1535,2260
  rectangle net NetC6_1: 1480.77,2280.94 1585.77,2325
  rectangle net NetC6_1: 1651.67,2420 1745,2465
  rectangle net GND: 1198.2,2135 1243.32,2210
  rectangle net VCC_3V3: 1265.96,2135 1310,2265
  rectangle net GND: 1175.94,2410 1267.48,2623.43
  rectangle net NetC5_1: 1391.67,2555 1506.67,2600
  rectangle net VCC_3V3: 945.94,2210.16 990.94,2349.69
  rectangle net VCC_1V5: 1346.54,2130 1386.54,2260
  rectangle net NetC10_2: 1346.54,2280.94 1451.54,2325
  rectangle net NetC6_1: 1601.67,2305 1681.67,2670
  rectangle net NetC6_1: 1626.67,2645 1671.67,2755
  rectangle net NetR3_2: 1496.67,2715 1606.67,2755
  rectangle net GND: 3875,1715.16 3915,1790
  rectangle net VCC_3V3: 3875,1945 4060,1995
  rectangle net VCC_3V3: 3695,1460 3805,1508
  rectangle net GND: 3700,1360 3805,1440
  rectangle net VCC_3V3: 3537.28,1090 3670,1160
  rectangle net RST: 3875,1812.19 3915,1930
  rectangle net NetC8_2: 1789.5,2385 1909.5,2665
  rectangle net VOUT_BATT: 935,1500 980,1585
  rectangle net GND: 875,1736.75 1010,1780
  rectangle net GND: 1790,1863.07 1910,2007.91
  rectangle net GND: 1175.31,1476.5 1265,1693.03
  rectangle net VCC_3V3: 955,1300.47 1000,1440
  rectangle net GND: 1185,1275 1265,1320
  rectangle net VOUT_BATT: 1130,1790 1230,1955
  rectangle net GND: 1290,1790 1501.1,1830
  rectangle net GND: 1705,1520 1775,1573.23
  rectangle net NetC17_2: 1565,1340.2 1720,1400.2
  rectangle net NetC17_2: 1600,1340.2 1676.5,1610
  rectangle net NetC17_2: 1600,1456.73 1750,1505
  rectangle net VCC_3V3: 1285,1315 1325,1361.26
  rectangle net VCC_3V3: 1285,1199.57 1395,1325
  rectangle net NetC22_2: 1355,1343.94 1460,1389.88
  rectangle net NetC17_2: 1490,1345 1580,1389.88
  rectangle net NetC22_1: 1420,1278.94 1525,1323.94
  rectangle net VCC_3V3: 1355,1199.57 1910,1259.45
  rectangle net NetC17_2: 1655,1790 1700,1885
  rectangle net NetC16_1: 1390,1625 1540,1670
  rectangle net NetC17_1: 1525,1790 1635,1885
  rectangle net NetC20_1: 1790,1430 1910,1705
  region net NetC17_2: 1676.5,1730 1600,1730 1600,1740 1650,1740 1655,1745 1655,1800
  region net NetC17_2: 1655,1800 1700,1800 1700,1790 1676.5,1766.5 1676.5,1743.5 1676.5,1730
VCC_3:
  rectangle net VCC_3V3: 2525,3610 3140,3827.64
  rectangle net VCC_3V3: 3520,1060 3690,1200
  rectangle net VCC_3V3: 3890,1915 3995,2025
  rectangle net VOUT_BATT: 1330,625 1415,825
  rectangle net VOUT_5V: 2330,630 2415,830
  rectangle net VOUT_3V3: 2230,630 2315,830
  region net VCC_3V3: 2172.46,1806.97 2190,1762.25 2135,1762.25

## Silkscreen, mask and mechanical layers (free items; w line width, h text height)
Top Overlay:
  lines w4: 900,1710 900,1660 1015,1660 1015,1710 ; 900,1730.59 900,1790 1015,1790 1015,1734.65 ; 901.67,2643.33 901.67,2595 901.67,2585 1025,2585 1025,2643.33 ; 901.67,2655 901.67,2715 1025,2715 1025,2656.67 ; 960,1660 960,1710 ; 960,1730.59 960,1790 ; 963.33,2585 963.33,2590 963.33,2643.33 ; 963.33,2656.67 963.33,2715
  lines w10: 575,1075 575,2270 625,2320 625,2405 580,2450 580,3135 580,3770 580,3800 675,3800 675,3850 850,3850 950,3950 950,4150 1025,4150 1025,4250 1075,4250 2472.83,4250 2472.83,4247.83 2472.83,4152.17 2510,4115 2660,4115 2705,4160 2705,4247.83 3675,4247.83 3675,4155 3745,4155 3745,3930 3805,3870 4025,3870 4025,3810 4035,3800 4100,3800 4100,2775 4065,2740 4030,2705 4030,2600 4100,2530 4100,1075 1195,1075 575,1075
Mechanical 1:
  the board outline again, w1

## Text inside footprints (layer, text, board x,y; h text height)
JTAG: Top Overlay "2" at 4040,1585 h32; Top Overlay "1" at 3945,1585 h32
P3: Top Overlay "2" at 720,2765 h32 r270; Top Overlay "1" at 615,2760 h32 r270; Top Overlay "19" at 625,3865 h32 r270
P4: Top Overlay "2" at 1100,4049 h32; Top Overlay "1" at 1110,3949 h32; Top Overlay "47" at 3585,3944 h32; Top Overlay "48" at 3580,4044 h32
P5: Top Overlay "2" at 4045,3840 h32 r270; Top Overlay "1" at 3935,3835 h32 r270; Top Overlay "19" at 3930,2760 h32 r270; Top Overlay "20" at 4030,2765 h32 r270
U1: Top Overlay "*" at 1100.13,2665 h50; Mechanical 13 "*" at 1100.13,2664.96 h50
U2: Top Overlay "*" at 1134.17,2360 h50; Mechanical 13 "*" at 1134.17,2360 h50
U3: Top Overlay "*" at 1085,1753.46 h50; Mechanical 13 "*" at 1085,1753.46 h50
U4: Top Overlay "*" at 1137.5,1450.63 h50; Mechanical 13 "*" at 1137.5,1450.63 h50
U5: Top Overlay "*" at 3189.57,1121.93 h50 r180; Mechanical 13 "*" at 3189.57,1121.93 h50 r180